# Allegro board 8880F5-0826_3.brd (continued)
## Routing (per net, layer and track width the routed paths; a pad name or vN(x,y) marks a point on that pad's centre or on a via; arc(x,y) is an arc through that point) (continued)
S1_2TX_100DCH007+: length 162.2
  TOP w0.086: SITE1.102 254.23,257.78 254.15,257.86 254.15,261.95 255.98,263.78 255.98,268.13 254.78,269.33 v1(254.78,269.97)
  L30_SIGNAL w0.071: v1(254.78,269.97) 254.5,269.69 254.4,269.69 253.44,270.65 253.44,274.22 263.42,284.2 276.48,284.2 279.52,281.17 279.52,270.97 284.67,265.82 291.19,265.82 297.73,272.36 297.73,282.04 301.11,285.42 301.11,299.79 308.05,306.72 322.6,306.72 326.21,303.11 326.21,290.21 323.45,287.45 323.45,286.14 323.38,286.07 v1(322.98,286.07)
S1_2TX_100DCH007-: length 162.8
  TOP w0.086: v1(253.98,269.17) 254.61,269.17 255.74,268.03 255.74,263.88 253.91,262.05 253.91,257.86 253.83,257.78 SITE1.103
  L30_SIGNAL w0.071: v1(324.12,286.07) 323.72,286.07 323.65,286.14 323.65,287.37 326.41,290.13 326.41,303.19 322.68,306.92 307.96,306.92 300.92,299.87 300.92,285.5 297.53,282.12 297.53,272.45 291.11,266.02 284.75,266.02 279.71,271.05 279.71,281.25 276.56,284.4 263.34,284.4 253.24,274.3 253.24,270.57 254.26,269.55 254.26,269.45 v1(253.98,269.17)
S1_3TX_100DCH002+: length 46.7
  TOP w0.086: v1(249.8,268.11) 249.35,267.66 249.35,257.86 249.43,257.78 SITE1.114
  L30_SIGNAL w0.071: v1(269.64,286.07) 270.04,286.07 270.11,286.14 270.11,287.3 269.5,287.92 264.89,287.92 258.99,282.02 257.81,282.02 249.33,273.53 249.33,268.18 249.4,268.11 v1(249.8,268.11)
S1_3TX_100DCH002-: length 47.4
  TOP w0.086: SITE1.115 249.03,257.78 249.11,257.86 249.11,267.66 v1(248.66,268.11)
  L30_SIGNAL w0.071: v1(270.78,286.07) 270.38,286.07 270.31,286.14 270.31,287.38 269.58,288.11 264.81,288.11 258.91,282.21 257.73,282.21 249.13,273.61 249.13,268.18 249.06,268.11 v1(248.66,268.11)
S1_3TX_100DCH003+: length 92.1
  TOP w0.086: SITE1.116 248.63,257.78 248.55,257.86 248.55,266.82 246.96,268.41 246.96,269.45 v1(247.41,269.9)
  L30_SIGNAL w0.071: v1(247.41,269.9) 247.01,269.9 246.94,269.97 246.94,274.91 255.16,283.14 258.64,283.14 261.78,286.28 261.78,290 264.15,292.37 277.33,292.37 280.61,289.09 280.61,271.57 284.86,267.32 286.24,267.32 286.91,267.99 286.91,269.23 286.98,269.3 v1(287.38,269.3)
S1_3TX_100DCH003-: length 92.1
  TOP w0.086: SITE1.117 248.23,257.78 248.31,257.86 248.31,266.72 246.72,268.31 246.72,269.45 v1(246.26,269.9)
  L30_SIGNAL w0.071: v1(246.26,269.9) 246.67,269.9 246.74,269.97 246.74,275 255.08,283.34 258.56,283.34 261.58,286.36 261.58,290.08 264.06,292.57 277.41,292.57 280.81,289.17 280.81,271.65 284.94,267.52 286.15,267.52 286.71,268.08 286.71,269.23 286.64,269.3 v1(286.24,269.3)
S1_3TX_100DCH004+: length 85.1
  TOP w0.086: v1(245.36,267.81) 244.91,267.36 244.91,266.21 246.95,264.17 246.95,257.86 247.03,257.78 SITE1.120
  L30_SIGNAL w0.071: v1(287.38,282.89) 286.98,282.89 286.91,282.82 286.91,281.32 286.14,280.55 283.69,280.55 281.6,282.64 281.6,289.55 276.84,294.32 263.52,294.32 260.91,291.71 260.91,286.89 258.11,284.09 254.38,284.09 244.89,274.6 244.89,267.89 244.96,267.81 v1(245.36,267.81)
S1_3TX_100DCH004-: length 85.1
  TOP w0.086: SITE1.121 246.63,257.78 246.71,257.86 246.71,264.07 244.67,266.11 244.67,267.36 v1(244.22,267.81)
  L30_SIGNAL w0.071: v1(244.22,267.81) 244.62,267.81 244.69,267.89 244.69,274.68 254.3,284.29 258.03,284.29 260.71,286.97 260.71,291.79 263.44,294.52 276.92,294.52 281.8,289.64 281.8,282.72 283.78,280.75 286.06,280.75 286.71,281.4 286.71,282.82 286.64,282.89 v1(286.24,282.89)
S1_3TX_100DCH005+: length 34
  TOP w0.086: v1(245.11,263.69) 244.65,263.24 244.65,262.03 246.15,260.53 246.15,257.86 246.23,257.78 SITE1.122
  L32_SIGNAL w0.071: v1(238.87,285.81) 238.47,285.81 238.4,285.74 238.4,283.7 243.24,278.85 243.24,267.57 244.63,266.18 244.63,263.76 244.7,263.69 v1(245.11,263.69)
S1_3TX_100DCH005-: length 34
  TOP w0.086: v1(243.96,263.69) 244.42,263.24 244.42,261.93 245.91,260.44 245.91,257.86 245.83,257.78 SITE1.123
  L32_SIGNAL w0.071: v1(243.96,263.69) 244.36,263.69 244.44,263.76 244.44,266.09 243.05,267.48 243.05,278.76 238.2,283.61 238.2,285.74 238.13,285.81 v1(237.72,285.81)
S1_3TX_100DCH006+: length 48.4
  TOP w0.086: v1(242.12,267.81) 241.66,267.36 241.66,266.13 242.87,264.93 242.87,262.13 245.35,259.65 245.35,257.86 245.43,257.78 SITE1.124
  L30_SIGNAL w0.071: v1(238.87,299.4) 238.47,299.4 238.4,299.33 238.4,297.81 240.14,296.07 240.14,288.6 243,285.74 243,277.16 241.64,275.8 241.64,267.89 241.71,267.81 v1(242.12,267.81)
S1_3TX_100DCH006-: length 48.4
  TOP w0.086: SITE1.125 245.03,257.78 245.11,257.86 245.11,259.55 242.63,262.03 242.63,264.83 241.43,266.04 241.43,267.36 v1(240.97,267.81)
  L30_SIGNAL w0.071: v1(237.72,299.4) 238.13,299.4 238.2,299.33 238.2,297.73 239.94,295.99 239.94,288.52 242.81,285.66 242.81,277.25 241.45,275.89 241.45,267.89 241.37,267.81 v1(240.97,267.81)
S1_3TX_100DCH007+: length 66.9
  TOP w0.086: SITE1.126 244.63,257.78 244.55,257.86 244.55,258.72 241.08,262.2 241.08,263.24 v1(241.53,263.69)
  L32_SIGNAL w0.071: v1(241.53,263.69) 241.13,263.69 241.06,263.76 241.06,266.13 239.95,267.23 239.95,279.37 236.6,282.72 236.6,291.75 247.39,302.53 255.73,302.53 256.9,301.36 256.9,299.73 256.83,299.66 v1(256.43,299.66)
S1_3TX_100DCH007-: length 67.6
  TOP w0.086: v1(240.39,263.69) 240.84,263.24 240.84,262.1 244.31,258.63 244.31,257.86 244.23,257.78 SITE1.127
  L32_SIGNAL w0.071: v1(257.58,299.66) 257.17,299.66 257.1,299.73 257.1,301.44 255.81,302.73 247.31,302.73 236.41,291.83 236.41,282.64 239.76,279.29 239.76,267.15 240.86,266.04 240.86,263.76 240.79,263.69 v1(240.39,263.69)
S1_4TX_100DCH001+: length 85.3
  TOP w0.086: v1(238.79,267.81) 238.34,267.36 238.34,266.89 239.3,265.93 239.3,262.62 243.35,258.57 243.35,257.86 243.43,257.78 SITE1.129
  L30_SIGNAL w0.071: v1(256.43,286.07) 256.83,286.07 256.9,286.14 256.9,287.43 255.24,289.1 255.24,297.5 249.63,303.12 236.55,303.12 234.97,301.54 234.97,276.72 238.32,273.37 238.32,267.89 238.39,267.81 v1(238.79,267.81)
S1_4TX_100DCH001-: length 86
  TOP w0.086: SITE1.130 243.03,257.78 243.11,257.86 243.11,258.47 239.06,262.52 239.06,265.83 238.1,266.79 238.1,267.36 v1(237.64,267.81)
  L30_SIGNAL w0.071: v1(237.64,267.81) 238.05,267.81 238.12,267.89 238.12,273.29 234.77,276.64 234.77,301.63 236.46,303.32 249.71,303.32 255.44,297.59 255.44,289.18 257.1,287.52 257.1,286.14 257.17,286.07 v1(257.58,286.07)
S1_4TX_100DCH002+: length 104.9
  TOP w0.086: v1(237.56,265.42) 237.11,264.97 237.11,263.7 242.55,258.26 242.55,257.86 242.63,257.78 SITE1.131
  L32_SIGNAL w0.071: v1(237.56,265.42) 237.16,265.42 237.09,265.49 237.09,266.77 234.65,269.21 234.65,300.97 239.65,305.96 280.91,305.96 283.57,303.3 283.57,299.73 283.5,299.66 v1(283.1,299.66)
S1_4TX_100DCH002-: length 105.6
  TOP w0.086: v1(236.42,265.42) 236.87,264.97 236.87,263.6 242.31,258.16 242.31,257.86 242.23,257.78 SITE1.132
  L32_SIGNAL w0.071: v1(236.42,265.42) 236.82,265.42 236.89,265.49 236.89,266.69 234.46,269.13 234.46,301.05 239.57,306.16 280.99,306.16 283.77,303.38 283.77,299.73 283.84,299.66 v1(284.25,299.66)
S1_4TX_100DCH003+: length 100.1
  TOP w0.086: SITE1.133 237.68,253.23 237.6,253.15 237.23,253.15 231.06,259.32 226.27,259.32 v1(225.81,259.77)
  L28_SIGNAL w0.071: v1(283.1,286.07) 283.5,286.07 283.57,286.14 283.57,287.54 283.09,288.03 278.02,288.03 273.17,283.18 264.92,283.18 256.68,274.93 225.65,274.93 223.63,272.91 223.63,260.51 224.84,259.3 225.74,259.3 225.81,259.37 v1(225.81,259.77)
S1_4TX_100DCH003-: length 101.1
  TOP w0.086: SITE1.134 237.68,252.83 237.6,252.91 237.13,252.91 230.96,259.08 226.27,259.08 v1(225.81,258.63)
  L28_SIGNAL w0.071: v1(284.25,286.07) 283.84,286.07 283.77,286.14 283.77,287.62 283.17,288.23 277.93,288.23 273.08,283.38 264.84,283.38 256.59,275.13 225.57,275.13 223.43,272.99 223.43,260.43 224.76,259.1 225.74,259.1 225.81,259.03 v1(225.81,258.63)
S1_4TX_100DCH004+: length 67.5
  TOP w0.086: v1(228.57,257.65) 229.02,257.2 231.68,257.2 236.53,252.35 237.6,252.35 237.68,252.43 SITE1.135
  L32_SIGNAL w0.071: v1(228.57,257.65) 228.57,257.25 228.49,257.18 219.01,257.18 215.12,261.07 181.95,261.07 179.99,259.11 179.99,258.17 179.52,257.7 178.57,257.7 178.5,257.77 v1(178.5,258.17)
S1_4TX_100DCH004-: length 67.5
  TOP w0.086: v1(228.57,256.51) 229.02,256.96 231.58,256.96 236.43,252.11 237.6,252.11 237.68,252.03 SITE1.136
  L32_SIGNAL w0.071: v1(178.5,257.03) 178.5,257.43 178.57,257.5 179.61,257.5 180.19,258.09 180.19,259.03 182.04,260.87 215.04,260.87 218.93,256.98 228.49,256.98 228.57,256.91 v1(228.57,256.51)
S1_4TX_100DCH005+: length 81.5
  TOP w0.086: v1(225.81,255.53) 226.27,255.08 232.64,255.08 236.17,251.55 237.6,251.55 237.68,251.63 SITE1.137
  L32_SIGNAL w0.071: v1(164.91,258.17) 164.91,257.77 164.98,257.7 166.32,257.7 168.21,255.81 188.4,255.81 192.51,259.92 202.98,259.92 207.85,255.06 225.74,255.06 225.81,255.13 v1(225.81,255.53)
S1_4TX_100DCH005-: length 81.5
  TOP w0.086: v1(225.81,254.39) 226.27,254.84 232.55,254.84 236.07,251.31 237.6,251.31 237.68,251.23 SITE1.138
  L32_SIGNAL w0.071: v1(164.91,257.03) 164.91,257.43 164.98,257.5 166.24,257.5 168.13,255.61 188.49,255.61 192.6,259.72 202.9,259.72 207.76,254.86 225.74,254.86 225.81,254.79 v1(225.81,254.39)
S1_4TX_100DCH006+: length 48.9
  TOP w0.086: SITE1.140 237.68,250.43 237.6,250.35 233.96,250.35 232.03,252.28 229.02,252.28 v1(228.57,252.73)
  L32_SIGNAL w0.071: v1(195.26,258.17) 195.26,257.77 195.33,257.7 196.33,257.7 196.8,257.23 196.8,256.1 199.11,253.78 212.47,253.78 213.99,252.26 228.49,252.26 228.57,252.33 v1(228.57,252.73)
S1_4TX_100DCH006-: length 48.9
  TOP w0.086: SITE1.141 237.68,250.03 237.6,250.11 233.86,250.11 231.93,252.04 229.02,252.04 v1(228.57,251.59)
  L32_SIGNAL w0.071: v1(195.26,257.03) 195.26,257.43 195.33,257.5 196.24,257.5 196.6,257.14 196.6,256.01 199.03,253.58 212.38,253.58 213.9,252.06 228.49,252.06 228.57,251.99 v1(228.57,251.59)
S1_4TX_100DCH007+: length 64.7
  TOP w0.086: v1(225.81,250.64) 226.27,250.19 232.4,250.19 233.04,249.55 237.6,249.55 237.68,249.63 SITE1.142
  L28_SIGNAL w0.071: v1(181.67,258.17) 181.67,257.77 181.75,257.7 182.87,257.7 185.13,259.96 205.23,259.96 210,255.19 221.03,255.19 224.28,251.94 224.28,250.8 224.92,250.16 225.74,250.16 225.81,250.24 v1(225.81,250.64)
S1_4TX_100DCH007-: length 64.7
  TOP w0.086: v1(225.81,249.49) 226.27,249.95 232.3,249.95 232.94,249.31 237.6,249.31 237.68,249.23 SITE1.143
  L28_SIGNAL w0.071: v1(225.81,249.49) 225.81,249.9 225.74,249.97 224.83,249.97 224.08,250.72 224.08,251.86 220.95,254.99 209.92,254.99 205.15,259.76 185.21,259.76 182.95,257.5 181.75,257.5 181.67,257.43 v1(181.67,257.03)
S1_AUX_100DCH002+:
  vias: v1(183.65,132.33)
S1_AUX_100DCH002-:
  vias: v1(181.11,132.33)
S1_AUXCH+: length 3.6
  TOP w0.203: v2(250.6,236.57) 250.23,236.2 SITE1.21
S1_AUXCH-: length 3.6
  TOP w0.203: SITE1.20 249.83,236.2 v2(249.46,236.57)
S1_AVDD11_RX: length 8.4
  TOP w0.231: 254.67,227.85 254.23,228.29 SITE1.31
  TOP w0.508: v1(256.77,225.75) 254.67,227.85
  vias: v1(158.96,294) v1(158.96,292.1) v1(256.77,223.71)
S1_AVDD11_XTAL: length 8.8
  TOP w0.231: SITE1.105 253.03,260.95 252.87,261.11 252.87,261.45
  TOP w0.381: v1(253.72,264.54) 253.72,264.44 252.87,263.59 252.87,261.45
  vias: v1(201.21,277.5) v1(201.21,275.59) v1(253.72,266.58)
S1_AVDD18_RX: length 7.7
  TOP w0.231: 251.28,230.01 251.83,230.56 SITE1.25
  TOP w0.508: 251.28,230.01 251.28,228.9 251.06,228.68 v1(251.06,225.75)
  vias: v1(168.7,294) v1(168.7,292.1) v1(251.06,223.71)
S1_DCH041: length 2.2
  TOP w0.231: SITE1.159 237.43,242.83 v1(237.23,243.03)
S1_DCH042: length 3.7
  TOP w0.231: v1(235.83,243.03) 236.43,242.43 SITE1.160
S1_DCH043: length 5.3
  TOP w0.231: v1(234.44,243.03) 235.44,242.03 SITE1.161
S1_DCH044: length 2.2
  TOP w0.231: SITE1.163 237.43,241.23 v1(237.23,241.03)
S1_DCH045: length 5.4
  TOP w0.231: SITE1.164 243.35,240.83 v1(244.35,239.83)
S1_DCH046: length 3.9
  TOP w0.231: v1(242.95,239.83) 242.35,240.43 SITE1.165
S1_DCH047: length 2.3
  TOP w0.231: SITE1.166 241.36,240.03 v1(241.56,239.83)
S1_DCH048:
  vias: v1(229.05,276.97)
S1_DCH049:
  vias: v1(229.05,271.67)
S1_DPS_F_001:
  vias: v1(101.29,249.52) v1(101.29,247.61) v1(182.11,131.06) v1(221.73,227.84)
S1_DPS_F_002: length 10.1
  TOP w0.231: 240.65,229.55 241.72,229.55 243.03,230.86 SITE1.3
  TOP w0.508: v1(237.98,225.75) 237.98,226.88 240.65,229.55
  vias: v1(185.21,294) v1(185.21,292.1) v1(236.32,222.9) v1(237.98,223.71)
S1_DPS_F_003: length 63.1
  TOP w0.231: 259.73,229.66 258.57,229.66 256.63,231.59 SITE1.37 ; 249.28,228.85 248.63,229.5 SITE1.17 ; SITE1.107 252.23,260.11 251.69,260.65 251.69,261.16 ; 234.63,241.63 SITE1.162 ; 267.84,245.53 266.94,246.43 SITE1.71 ; 232.83,248.18 233.08,248.43 SITE1.145 ; 265.2,242.93 264.9,243.23 SITE1.63
  TOP w0.381: 251.69,261.16 251.69,264.28 v1(251.94,264.54)
  TOP w0.508: v1(231.44,247.93) 232.58,247.93 232.83,248.18 ; 259.73,229.66 262.36,227.02 v1(262.36,225.75) ; v1(271.22,241.37) 268.11,241.37 266.8,242.67 265.45,242.67 265.2,242.93 ; v1(249.28,225.75) 249.28,228.85 ; v1(231.44,243.41) 232.59,243.41 234.37,241.63 234.63,241.63 ; 267.84,245.53 269.46,243.91 v1(271.22,243.91)
  vias: v1(114.29,230.12) v1(175.47,294) v1(175.47,292.1) v1(229.4,247.93) v1(229.4,243.41) v1(249.28,223.71) v1(251.54,252.61) v1(251.94,266.58) v1(262.36,223.71) v1(273.27,243.91) v1(273.27,243.91) v1(273.27,241.37) v1(273.27,241.37)
S1_DPS_F_006: length 9.6
  TOP w0.231: 268.55,246.19 267.92,246.83 SITE1.72
  TOP w0.508: v1(271.22,245.18) 269.56,245.18 268.55,246.19
  vias: v1(168.7,277.5) v1(168.7,275.59) v1(259,246.67) v1(273.27,245.18) v1(273.27,245.18)
S1_DPS_F_007: length 19.1
  TOP w0.231: SITE1.97 256.23,260.71 259.65,264.13 v1(259.65,264.54) ; SITE1.78 264.15,249.23 264.37,249.01
  TOP w0.508: v1(271.22,249.5) 270.8,249.5 270.31,249.01 264.37,249.01
  BOTTOM w0.119: CC27.1 v1(273.27,249.5)
  vias: v1(185.21,277.5) v1(185.21,275.59) v1(259.65,266.58)
S1_DPS_F_009: length 8.8
  TOP w0.231: 252.26,261.12 252.26,260.9 252.63,260.53 SITE1.106
  TOP w0.381: 252.26,261.12 252.26,263.82 252.83,264.39 v1(252.83,264.54)
  vias: v1(201.21,294) v1(201.21,292.1) v1(252.83,266.58) v1(253.61,267.66)
S1_DPS_F_010: length 8.6
  TOP w0.231: SITE1.111 250.63,260.15 251.05,260.57 251.05,261.13
  TOP w0.381: 251.05,261.13 v1(251.05,264.54)
  vias: v1(191.48,294) v1(191.48,292.1) v1(250.34,253.59) v1(251.05,266.58)
S1_DPS_F_011: length 17.6
  TOP w0.231: 247.64,258.01 247.43,257.79 SITE1.119 ; SITE1.139 234.87,250.83 232.01,253.69 v1(231.44,253.69)
  TOP w0.508: v1(247.57,264.54) 247.64,264.47 247.64,258.01
  vias: v1(175.47,277.5) v1(175.47,275.59) v1(229.4,253.69) v1(247.57,266.58)
S1_DPS_F_012: length 8
  TOP w0.231: 232.2,248.83 SITE1.144
  TOP w0.508: v1(231.44,249.2) 231.81,248.83 232.2,248.83
  vias: v1(158.96,277.5) v1(158.96,275.59) v1(229.4,249.2)
S1_DPS_F_013:
  vias: v1(89.53,207.41) v1(89.77,221.18) v1(96.02,215.5) v1(96.12,229.1) v1(96.42,249.57) v1(96.42,247.66) v1(97.27,241.05) v1(97.27,233.43) v1(98.56,215.5) v1(98.66,229.1) v1(101.1,215.5) v1(101.1,203.31) v1(101.2,229.1) v1(101.2,216.91) v1(103.64,203.31) v1(104.64,215.5) v1(104.74,229.1) v1(104.75,216.86) v1(122.12,241.1) v1(126.75,233.43) v1(126.75,225.81)
S1_ISP00+: length 57.3
  TOP w0.086: SITE1.73 263.98,247.23 264.06,247.31 269.31,247.31 270.29,246.33 274.62,246.33 v1(275.08,245.88)
  L30_SIGNAL w0.071: v1(275.08,245.88) 275.08,246.28 275.15,246.35 279.34,246.35 280.21,247.22 280.21,263.36 272.31,271.27 272.31,275.49 271.6,276.2 270.12,276.2 270.04,276.27 v1(270.04,277.62)
  BOTTOM w0.119: v1(270.04,277.62) K43.7
S1_ISP00-: length 56.6
  TOP w0.086: v1(275.08,247.02) 274.62,246.57 270.39,246.57 269.41,247.55 264.06,247.55 263.98,247.63 SITE1.74
  L30_SIGNAL w0.071: v1(275.08,247.02) 275.08,246.62 275.15,246.55 279.26,246.55 280.01,247.3 280.01,263.28 272.11,271.18 272.11,275.41 271.52,276 270.12,276 270.04,275.93 v1(270.04,274.58)
  BOTTOM w0.119: v1(270.04,274.58) K43.2
S1_ISP14+: length 214.1
  TOP w0.086: SITE1.112 250.23,257.78 250.15,257.86 250.15,266.59 251.48,267.92 251.48,269.45 v1(251.93,269.9)
  L32_SIGNAL w0.071: v1(251.93,269.9) 251.53,269.9 251.46,269.83 251.46,268.24 249.19,265.97 249.19,264.19 244.07,259.07 227.96,259.07 224.69,262.33 224.69,268.06 226.85,270.22 232.37,270.22 233.24,271.09 233.24,303.84 239.49,310.08 279.87,310.08 286.56,303.39 286.56,296.18 282.87,292.49 264.83,292.49 259.78,287.44 259.78,278.02 261.61,276.2 265.57,276.2 265.64,276.27 v1(265.64,280.1)
S1_ISP14-: length 213.1
  TOP w0.086: v1(250.79,269.9) 251.24,269.45 251.24,268.02 249.91,266.69 249.91,257.86 249.83,257.78 SITE1.113
  L32_SIGNAL w0.071: v1(250.79,269.9) 251.19,269.9 251.26,269.83 251.26,268.32 248.99,266.05 248.99,264.27 243.99,259.27 228.04,259.27 224.89,262.41 224.89,267.98 226.93,270.02 232.45,270.02 233.44,271.01 233.44,303.76 239.57,309.89 279.79,309.89 286.36,303.31 286.36,296.26 282.79,292.69 264.75,292.69 259.58,287.52 259.58,277.94 261.53,276 265.57,276 265.64,275.93 v1(265.64,272.1)
S1_ISP_1LOCK:
  vias: v1(229.91,245.39)
S1_M_DPS_F_001: length 45.2
  TOP w0.231: SITE1.39 257.43,231.49 258.54,230.37 260.57,230.37 ; 233.24,247.18 233.7,247.63 SITE1.147 ; 250.63,230.54 SITE1.22 ; SITE1.104 253.43,263.21 ; 266.49,243.63 SITE1.64
  TOP w0.381: v1(254.61,264.54) 254.61,264.39 253.43,263.21
  TOP w0.508: v1(250.17,225.75) 250.17,228.96 250.38,229.17 250.38,230.28 250.63,230.54 ; v1(263.63,225.75) 263.63,227.31 260.57,230.37 ; 233.24,247.18 232.72,246.66 v1(231.44,246.66) ; 266.49,243.63 267.49,243.63 268.48,242.64 v1(271.22,242.64)
  vias: v1(118.32,292.74) v1(118.32,290.83) v1(229.4,246.66) v1(250.17,223.71) v1(254.61,266.58) v1(263.63,223.71) v1(273.27,242.64) v1(273.27,242.64)
S1_PS9G_DCH001: length 3.7
  TOP w0.231: SITE1.18 249.03,230.23 v1(249.63,229.63)
S1_PS9G_DCH002: length 2.2
  TOP w0.231: SITE1.19 249.43,231.23 v1(249.63,231.03)
S1_PS9G_DCH003: length 2.2
  TOP w0.231: v1(251.23,231.03) 251.43,231.23 SITE1.24
S1_PS9G_DCH004: length 2.2
  TOP w0.231: SITE1.40 257.83,235.03 v1(257.63,235.23)
S1_PS9G_DCH005: length 2.2
  TOP w0.231: SITE1.45 264.23,236.03 v1(264.43,235.83)
S1_PS9G_DCH006: length 3.7
  TOP w0.231: v1(265.83,235.83) 265.23,236.43 SITE1.46
S1_PS9G_DCH007: length 5.3
  TOP w0.231: v1(267.23,235.83) 266.22,236.83 SITE1.47
S1_PS9G_DCH009: length 2.2
  TOP w0.231: v1(264.43,237.43) 264.23,237.63 SITE1.49
S1_PS9G_DCH010: length 3.7
  TOP w0.231: v1(265.83,237.43) 265.23,238.03 SITE1.50
S1_PS9G_DCH011: length 5.3
  TOP w0.231: v1(267.23,237.43) 266.22,238.43 SITE1.51
S1_PS9G_DCH014: length 3.7
  TOP w0.231: SITE1.54 265.23,239.63 v1(265.83,239.03)
S1_PS9G_DCH015: length 5.3
  TOP w0.231: SITE1.55 266.22,240.03 v1(267.23,239.03)
S1_PS9G_DCH022: length 5.3
  TOP w0.231: SITE1.65 266.05,244.03 267.05,245.03 v1(267.23,245.03)
S1_PS9G_DCH023: length 2.5
  TOP w0.231: v1(264.43,245.03) 264.43,244.83 264.03,244.43 SITE1.66
S1_PS9G_DCH027: length 3.9
  TOP w0.231: v1(265.83,245.03) 264.83,246.03 SITE1.70
S1_PS9G_DCH028: length 2.3
  TOP w0.231: SITE1.77 260.6,248.83 v1(260.23,248.46)
S1_PS9G_DCH029: length 2.2
  TOP w0.119: SITE1.118 v1(247.83,253.92)
S1_PS9G_DCH030: length 9.2
  TOP w0.231: v1(230.91,245.39) 232.63,245.39 234.16,246.91 237.3,246.91 237.62,247.23 SITE1.148
S1_PS9G_DCH035: length 5.3
  TOP w0.231: v1(234.44,246.23) 235.44,245.23 SITE1.153
S1_PS9G_DCH036: length 2.2
  TOP w0.231: SITE1.154 241.23,244.83 v1(241.43,245.03)
S1_PS9G_DCH037: length 2.2
  TOP w0.231: v1(237.23,244.63) 237.43,244.43 SITE1.155
S1_PS9G_DCH038: length 3.7
  TOP w0.231: v1(235.83,244.63) 236.43,244.03 SITE1.156
S1_PS9G_DCH039: length 5.3
  TOP w0.231: SITE1.157 235.44,243.63 v1(234.44,244.63)
S1_PS9G_DCH040: length 2.2
  TOP w0.231: SITE1.158 241.23,243.23 v1(241.43,243.43)
S1_RLY_001:
  vias: v1(167.7,222.95) v1(201.23,236.67)
S1_RLY_003:
  vias: v1(290.64,288.86) v1(303.84,288.86)
S1_RLY_005:
  vias: v1(330.51,288.86) v1(343.98,288.86)
S1_RLY_007:
  vias: v1(317.05,288.86)
S1_RLY_008:
  vias: v1(263.71,288.86) v1(293.31,280.1)
S1_RLY_016:
  vias: v1(244.8,296.61) v1(250.5,288.86)
S1_RLY_018:
  vias: v1(232.25,276.97)
S1_RLY_021:
  vias: v1(167.7,264.1) v1(277.17,288.86)
S1_RLY_022:
  vias: v1(167.7,236.67) v1(201.23,250.38)
S1_RLY_023:
  vias: v1(184.47,236.67)
S1_RLY_025:
  vias: v1(167.7,250.38) v1(200.98,264.1)
S1_RLY_026:
  vias: v1(184.47,250.38)
S1_RLY_030:
  vias: v1(184.47,264.1)
S1_RLY_043:
  vias: v1(273.24,280.1)
S1_SCAN_DCH008: length 2.2
  TOP w0.231: SITE1.48 260.43,237.23 v1(260.23,237.03)
S1_SCAN_DCH012: length 2.2
  TOP w0.231: SITE1.52 260.43,238.83 v1(260.23,238.63)
S1_SCAN_DCH013: length 2.2
  TOP w0.231: v1(264.43,239.03) 264.23,239.23 SITE1.53
S1_SCAN_DCH016: length 2.2
  TOP w0.231: SITE1.56 260.43,240.43 v1(260.23,240.23)
S1_SCAN_DCH017: length 2.2
  TOP w0.231: v1(264.43,240.63) 264.23,240.83 SITE1.57
S1_SCAN_DCH018: length 3.7
  TOP w0.231: SITE1.58 265.23,241.23 v1(265.83,240.63)
S1_SCAN_DCH019: length 5.3
  TOP w0.231: v1(267.23,240.63) 266.22,241.63 SITE1.59
S1_SCAN_DCH020: length 2.2
  TOP w0.231: v1(260.23,241.83) 260.43,242.03 SITE1.60
S1_SCAN_DCH021: length 2.2
  TOP w0.231: SITE1.61 264.23,242.43 v1(264.43,242.23)
S1_SCAN_DCH024: length 2.2
  TOP w0.231: SITE1.67 260.43,244.83 v1(260.23,244.63)
S1_SCAN_DCH025: length 3.7
  TOP w0.231: v1(258.83,244.63) 259.43,245.23 SITE1.68
S1_SCAN_DCH026: length 5.3
  TOP w0.231: v1(257.44,244.63) 258.44,245.63 SITE1.69
S1_SCAN_DCH031: length 3.7
  TOP w0.231: v1(242.83,247.43) 242.23,246.83 SITE1.149
S1_SCAN_DCH032: length 5.3
  TOP w0.231: v1(244.22,247.43) 243.22,246.43 SITE1.150
S1_SCAN_DCH033: length 2.2
  TOP w0.231: SITE1.151 237.43,246.03 v1(237.23,246.23)
S1_SCAN_DCH034: length 3.7
  TOP w0.231: v1(235.83,246.23) 236.43,245.63 SITE1.152
S1_SPI_1_CSN:
  vias: v1(104.64,203.31)
S1_SPI_1_SCK:
  vias: v1(99.56,215.5)
S1_SPI_1_SDI:
  vias: v1(123.44,216.92)
S1_SPI_1_SDO:
  vias: v1(123.69,224.54)
S1_SPI_2_CSN:
  vias: v1(103.75,216.86)
S1_SPI_2_SCK:
  vias: v1(99.66,229.1)
S1_SPI_2_SDI:
  vias: v1(128.01,216.92)
S1_SPI_2_SDO:
  vias: v1(127.75,224.54)
S1_SPI_11_SDI:
  vias: v1(102.1,203.31) v1(122.44,216.92)
S1_SPI_11_SDO:
  vias: v1(97.02,215.5) v1(122.69,224.54)
S1_SPI_22_SDI:
  vias: v1(102.2,216.91) v1(127.01,216.92)
S1_SPI_22_SDO:
  vias: v1(97.12,229.1) v1(126.75,224.54)
S1_SPI_CSN: length 2.2
  TOP w0.231: v1(259.23,231.03) 259.03,231.23 SITE1.43
S1_SPI_SCK: length 2.2
  TOP w0.231: SITE1.42 258.63,235.03 v1(258.83,235.23)
S1_SPI_SDI: length 3.7
  TOP w0.231: v1(258.83,236.63) 259.43,236.03 SITE1.44
S1_SPI_SDO: length 3.7
  TOP w0.231: SITE1.41 258.23,236.03 v1(257.63,236.63)
S1_XTAL_IN: length 2.5
  TOP w0.119: SITE1.109 251.43,258.31 v1(251.63,258.51)
  vias: v1(226.85,271.67)
S1_XTAL_OUT: length 3.7
  TOP w0.231: SITE1.110 251.03,259.03 v1(251.63,259.63)
  vias: v1(226.85,276.97)
S2_1AUX+:
  vias: v1(301.73,229.11)
S2_1AUX-:
  vias: v1(298.45,229.11)
S2_1TX_100DCH001+: length 121
  L32_SIGNAL w0.071: v1(388.49,259.59) 388.49,260.94 388.42,261.01 384.8,261.01 384.23,260.44 384.23,256.8 385.08,255.95 392.26,255.95 394.89,258.58 405.53,258.58 408.37,255.74 426.47,255.74 431.64,260.91 431.64,297.44 427.29,301.79 423.67,301.79 419.59,297.7 417.91,297.7 416.92,298.69 416.92,299.84 416.85,299.91 v1(416.45,299.91)
  BOTTOM w0.119: v1(388.49,259.59) UNK2K43.6
S2_1TX_100DCH001-: length 122
  L32_SIGNAL w0.071: v1(388.49,262.63) 388.49,261.28 388.42,261.21 384.72,261.21 384.03,260.52 384.03,256.72 384.99,255.75 392.34,255.75 394.97,258.38 405.45,258.38 408.29,255.54 426.55,255.54 431.84,260.83 431.84,297.52 427.37,301.99 423.59,301.99 419.5,297.9 418,297.9 417.12,298.77 417.12,299.84 417.19,299.91 v1(417.6,299.91)
  BOTTOM w0.119: v1(388.49,262.63) UNK2K43.3
S2_1TX_100DCH002+: length 111.5
  TOP w0.086: v1(357.52,247.66) 357.07,248.11 344.06,248.11 343.98,248.03 SITE2.75
  L28_SIGNAL w0.071: v1(357.52,247.66) 357.52,248.06 357.59,248.13 362.11,248.13 370.83,256.85 370.83,257.83 381.5,268.49 398.85,268.49 400.59,266.76 418.42,266.76 419.62,267.95 419.62,286.79 418.8,287.61 417.44,287.61 416.92,287.09 416.92,286.39 416.85,286.32 v1(416.45,286.32)
S2_1TX_100DCH002-: length 110.5
  TOP w0.086: v1(357.52,248.8) 357.07,248.35 344.06,248.35 343.98,248.43 SITE2.76
  L28_SIGNAL w0.071: v1(357.52,248.8) 357.52,248.4 357.59,248.33 362.03,248.33 370.63,256.94 370.63,257.91 381.42,268.69 398.94,268.69 400.68,266.95 418.34,266.95 419.42,268.03 419.42,286.71 418.72,287.42 417.53,287.42 417.12,287.01 417.12,286.39 417.19,286.32 v1(417.6,286.32)
S2_1TX_100DCH003+: length 176.3
  TOP w0.086: v1(355.08,250.14) 354.62,250.59 349.94,250.59 349.05,249.71 344.06,249.71 343.98,249.63 SITE2.79
  L32_SIGNAL w0.071: v1(355.08,250.14) 355.08,250.54 355,250.61 354.49,250.61 354.35,250.47 354.35,249.75 354.92,249.18 356.13,249.18 357.68,250.73 363.45,250.73 368.22,255.5 378.23,255.5 380.62,253.1 380.62,249.01 381.53,248.11 405.46,248.11 406.61,249.26 406.61,254.31 405.01,255.91 398.97,255.91 397.96,254.89 382.06,254.89 379.1,257.86 379.1,264.76 382.08,267.74 397.98,267.74 401.46,264.26 412.52,264.26 414.57,266.31 414.57,280.19 416.92,282.55 416.92,284.09 416.85,284.16 v1(416.45,284.16)
S2_1TX_100DCH003-: length 177.3
  TOP w0.086: v1(355.08,251.28) 354.62,250.83 349.84,250.83 348.95,249.95 344.06,249.95 343.98,250.03 SITE2.80
  L32_SIGNAL w0.071: v1(355.08,251.28) 355.08,250.88 355,250.81 354.41,250.81 354.16,250.56 354.16,249.66 354.84,248.98 356.21,248.98 357.76,250.53 363.54,250.53 368.3,255.3 378.14,255.3 380.43,253.02 380.43,248.93 381.45,247.91 405.54,247.91 406.81,249.17 406.81,254.39 405.09,256.1 398.89,256.1 397.88,255.09 382.14,255.09 379.29,257.94 379.29,264.68 382.16,267.54 397.9,267.54 401.38,264.06 412.61,264.06 414.77,266.23 414.77,280.11 417.12,282.46 417.12,284.09 417.19,284.16 v1(417.6,284.16)
S2_1TX_100DCH004+: length 88.3
  TOP w0.086: v1(357.52,252.08) 357.07,252.53 350.02,252.53 347.99,250.51 344.06,250.51 343.98,250.43 SITE2.81
  L28_SIGNAL w0.071: v1(416.45,270.57) 416.85,270.57 416.92,270.65 416.92,272.17 414.38,274.71 403.76,274.71 400.43,271.38 381.37,271.38 372.64,262.66 371.33,262.66 361.22,252.55 357.59,252.55 357.52,252.48 v1(357.52,252.08)
S2_1TX_100DCH004-: length 88.7
  TOP w0.086: v1(357.52,253.22) 357.07,252.77 349.92,252.77 347.89,250.75 344.06,250.75 343.98,250.83 SITE2.82
  L28_SIGNAL w0.071: v1(357.52,253.22) 357.52,252.82 357.59,252.75 361.14,252.75 371.24,262.85 372.56,262.85 381.29,271.58 400.35,271.58 403.68,274.91 414.46,274.91 417.12,272.25 417.12,270.65 417.19,270.57 v1(417.6,270.57)
S2_1TX_100DCH005+: length 74.2
  TOP w0.086: SITE2.83 343.98,251.23 344.06,251.31 346.61,251.31 349.53,254.22 354.62,254.22 v1(355.08,253.77)
  L32_SIGNAL w0.071: v1(355.08,253.77) 355.08,254.17 355,254.24 354.15,254.24 353.89,253.99 353.89,253.17 354.26,252.81 356.05,252.81 356.38,253.14 356.38,254.1 357.08,254.79 361.41,254.79 365.4,258.78 376.65,258.78 385.24,250.2 402.1,250.2 402.95,251.06 402.95,251.83 402.88,251.9 v1(402.48,251.9)
S2_1TX_100DCH005-: length 75.1
  TOP w0.086: v1(355.08,254.92) 354.62,254.46 349.43,254.46 346.51,251.55 344.06,251.55 343.98,251.63 SITE2.84
  L32_SIGNAL w0.071: v1(355.08,254.92) 355.08,254.51 355,254.44 354.07,254.44 353.69,254.07 353.69,253.09 354.17,252.61 356.14,252.61 356.58,253.06 356.58,254.02 357.16,254.6 361.49,254.6 365.48,258.59 376.57,258.59 385.15,250 402.18,250 403.15,250.97 403.15,251.83 403.22,251.9 v1(403.63,251.9)
S2_1TX_100DCH006+: length 115.6
  TOP w0.086: v1(357.52,256.03) 357.07,256.49 350.12,256.49 345.74,252.11 344.06,252.11 343.98,252.03 SITE2.85
  L28_SIGNAL w0.071: v1(402.48,238.32) 402.88,238.32 402.95,238.39 402.95,239.84 405.8,242.68 405.8,259.81 399.15,266.46 382.24,266.46 361.55,245.76 357.81,245.76 356.36,247.21 356.36,254 357.31,254.95 358.86,254.95 359.62,255.7 359.62,256.14 359.25,256.51 357.59,256.51 357.52,256.44 v1(357.52,256.03)
S2_1TX_100DCH006-: length 115.9
  TOP w0.086: SITE2.86 343.98,252.43 344.06,252.35 345.64,252.35 350.02,256.73 357.07,256.73 v1(357.52,257.18)
  L28_SIGNAL w0.071: v1(403.63,238.32) 403.22,238.32 403.15,238.39 403.15,239.75 406,242.6 406,259.89 399.24,266.65 382.16,266.65 361.47,245.96 357.89,245.96 356.56,247.29 356.56,253.91 357.39,254.75 358.94,254.75 359.81,255.62 359.81,256.23 359.34,256.7 357.59,256.7 357.52,256.78 v1(357.52,257.18)
S2_1TX_100DCH007+: length 52.1
  TOP w0.086: SITE2.87 343.98,252.83 344.06,252.91 344.96,252.91 350.67,258.62 354.62,258.62 v1(355.08,258.17)
  L32_SIGNAL w0.071: v1(355.08,258.17) 355.08,258.57 355,258.64 354.56,258.64 354.22,258.98 354.22,259.62 355.02,260.42 356.72,260.42 361.31,265 361.31,267.57 376.03,282.29 376.03,283.84 375.96,283.91 v1(375.56,283.91)
S2_1TX_100DCH007-: length 51.8
  TOP w0.086: SITE2.88 343.98,253.23 344.06,253.15 344.86,253.15 350.57,258.86 354.62,258.86 v1(355.08,259.31)
  L32_SIGNAL w0.071: v1(355.08,259.31) 355.08,258.91 355,258.84 354.64,258.84 354.42,259.06 354.42,259.54 355.1,260.22 356.81,260.22 361.51,264.92 361.51,267.49 376.23,282.21 376.23,283.84 376.3,283.91 v1(376.7,283.91)
S2_2AUX+:
  vias: v1(290.31,132.08) v1(290.31,130.81) v1(300.73,229.11) v1(300.73,227.84)
S2_2AUX-:
  vias: v1(286.77,130.81) v1(287.77,132.08) v1(299.45,229.11) v1(299.45,227.84)
S2_2TX_100DCH001+: length 52.5
  TOP w0.086: v1(346.32,268.6) 345.87,268.15 345.87,265.63 345.31,265.07 345.31,262.18 343.95,260.83 341.74,260.83 339.35,258.44 339.35,257.86 339.43,257.78 SITE2.89
  L30_SIGNAL w0.071: v1(375.56,270.32) 375.96,270.32 376.03,270.39 376.03,271.3 375.75,271.58 375.22,271.58 371.38,267.75 359.16,267.75 356.92,269.99 346.29,269.99 345.85,269.55 345.85,268.68 345.92,268.6 v1(346.32,268.6)
S2_2TX_100DCH001-: length 53.1
  TOP w0.086: SITE2.90 339.03,257.78 339.11,257.86 339.11,258.53 341.64,261.07 343.85,261.07 345.07,262.28 345.07,265.17 345.63,265.73 345.63,268.15 v1(345.18,268.6)
  L30_SIGNAL w0.071: v1(345.18,268.6) 345.58,268.6 345.65,268.68 345.65,269.64 346.2,270.19 357,270.19 359.25,267.95 371.3,267.95 375.14,271.78 375.83,271.78 376.23,271.39 376.23,270.39 376.3,270.32 v1(376.7,270.32)
S2_2TX_100DCH002+: length 122.6
  TOP w0.086: v1(344.67,266.34) 344.22,265.88 344.22,262.77 343.16,261.72 341.27,261.72 338.55,259 338.55,257.86 338.63,257.78 SITE2.91
  L32_SIGNAL w0.071: v1(344.67,266.34) 344.27,266.34 344.2,266.26 344.2,265.71 344.47,265.44 345.15,265.44 345.57,265.86 345.57,266.58 353.51,274.52 353.51,287.07 357.83,291.4 402.7,291.4 405.57,288.52 405.57,267.17 404.58,266.17 403.48,266.17 402.95,266.7 402.95,268.09 402.88,268.16 v1(402.48,268.16)
S2_2TX_100DCH002-: length 122
  TOP w0.086: v1(343.52,266.34) 343.98,265.88 343.98,262.87 343.07,261.96 341.17,261.96 338.31,259.1 338.31,257.86 338.23,257.78 SITE2.92
  L32_SIGNAL w0.071: v1(403.63,268.16) 403.22,268.16 403.15,268.09 403.15,266.78 403.57,266.37 404.49,266.37 405.38,267.25 405.38,288.44 402.62,291.2 357.92,291.2 353.71,286.99 353.71,274.44 345.77,266.49 345.77,265.78 345.23,265.24 344.38,265.24 344,265.62 344,266.26 343.93,266.34 v1(343.52,266.34)
S2_2TX_100DCH003+: length 92.3
  TOP w0.086: SITE2.93 337.83,257.78 337.75,257.86 337.75,259.44 342.61,264.3 342.61,268.15 v1(343.07,268.6)
  L30_SIGNAL w0.071: v1(343.07,268.6) 342.66,268.6 342.59,268.68 342.59,269.99 343.66,271.06 372.09,271.06 374.77,273.74 377.67,273.74 384.23,267.17 399.8,267.17 401.32,265.65 401.32,258.01 402.95,256.37 402.95,254.64 402.88,254.57 v1(402.48,254.57)
S2_2TX_100DCH003-: length 93
  TOP w0.086: v1(341.92,268.6) 342.37,268.15 342.37,264.4 337.51,259.54 337.51,257.86 337.43,257.78 SITE2.94
  L30_SIGNAL w0.071: v1(341.92,268.6) 342.32,268.6 342.39,268.68 342.39,270.08 343.58,271.26 372.01,271.26 374.69,273.94 377.75,273.94 384.32,267.37 399.88,267.37 401.51,265.74 401.51,258.09 403.15,256.46 403.15,254.64 403.22,254.57 v1(403.63,254.57)
S2_2TX_100DCH004+: length 100.5
  TOP w0.086: SITE2.95 337.03,257.78 336.95,257.86 336.95,259.72 340.9,263.67 340.9,266.64 v1(341.36,267.09)
  L32_SIGNAL w0.071: v1(341.36,267.09) 340.96,267.09 340.88,267.02 340.88,264.19 346.21,258.86 352.22,258.86 358.56,265.21 358.56,266.95 372.52,280.9 372.52,284.94 375.45,287.88 394.18,287.88 400.17,281.89 402.56,281.89 402.95,282.28 402.95,283.84 402.88,283.91 v1(402.48,283.91)
S2_2TX_100DCH004-: length 101.2
  TOP w0.086: SITE2.96 336.63,257.78 336.71,257.86 336.71,259.82 340.67,263.77 340.67,266.64 v1(340.21,267.09)
  L32_SIGNAL w0.071: v1(403.63,283.91) 403.22,283.91 403.15,283.84 403.15,282.2 402.64,281.69 400.08,281.69 394.09,287.68 375.53,287.68 372.71,284.86 372.71,280.82 358.76,266.86 358.76,265.13 352.3,258.67 346.13,258.67 340.69,264.11 340.69,267.02 340.62,267.09 v1(340.21,267.09)
S2_2TX_100DCH005+: length 88.5
  TOP w0.086: SITE2.98 335.83,257.78 335.75,257.86 335.75,261.37 338.54,264.15 338.54,268.38 v1(338.99,268.83)
  L30_SIGNAL w0.071: v1(338.99,268.83) 338.59,268.83 338.52,268.9 338.52,270 340.67,272.16 366.04,272.16 368.77,274.89 378.18,274.89 384.33,268.74 396.16,268.74 399.94,272.52 402.28,272.52 402.95,271.84 402.95,270.39 402.88,270.32 v1(402.48,270.32)
S2_2TX_100DCH005-: length 89.1
  TOP w0.086: v1(337.84,268.83) 338.3,268.38 338.3,264.25 335.51,261.47 335.51,257.86 335.43,257.78 SITE2.99
  L30_SIGNAL w0.071: v1(337.84,268.83) 338.25,268.83 338.32,268.9 338.32,270.09 340.59,272.36 365.96,272.36 368.69,275.09 378.26,275.09 384.41,268.94 396.08,268.94 399.85,272.71 402.36,272.71 403.15,271.92 403.15,270.39 403.22,270.32 v1(403.63,270.32)
S2_2TX_100DCH006+: length 151.1
  TOP w0.086: SITE2.100 335.03,257.78 334.95,257.86 334.95,261.59 337.04,263.68 337.04,268.51 336.65,268.9 336.65,269.99 v1(337.1,270.44)
  L30_SIGNAL w0.071: v1(389.02,283.91) 389.42,283.91 389.49,283.84 389.49,282.2 392.44,279.25 397.73,279.25 406.39,270.59 406.39,252.17 404.98,250.76 401.55,250.76 400.45,251.86 400.45,258.16 392.4,266.21 378.86,266.21 374.1,261.46 355.47,261.46 352.64,258.62 340.95,258.62 336.63,262.95 336.63,270.37 336.7,270.44 v1(337.1,270.44)
S2_2TX_100DCH006-: length 151.8
  TOP w0.086: SITE2.101 334.63,257.78 334.71,257.86 334.71,261.69 336.8,263.78 336.8,268.41 336.41,268.8 336.41,269.99 v1(335.96,270.44)
  L30_SIGNAL w0.071: v1(335.96,270.44) 336.36,270.44 336.43,270.37 336.43,262.87 340.87,258.43 352.72,258.43 355.55,261.26 374.18,261.26 378.94,266.01 392.32,266.01 400.25,258.08 400.25,251.78 401.47,250.56 405.06,250.56 406.59,252.09 406.59,270.67 397.81,279.45 392.53,279.45 389.69,282.28 389.69,283.84 389.76,283.91 v1(390.16,283.91)
S2_2TX_100DCH007+: length 79.2
  TOP w0.086: v1(334.78,269.97) 334.78,269.33 335.98,268.13 335.98,263.78 334.15,261.95 334.15,257.86 334.23,257.78 SITE2.102
  L30_SIGNAL w0.071: v1(334.78,269.97) 334.5,269.69 334.4,269.69 333.72,270.37 333.72,271.65 335.29,273.22 365.22,273.22 368.15,276.15 385.17,276.15 389.49,271.82 389.49,270.39 389.42,270.32 v1(389.02,270.32)
S2_2TX_100DCH007-: length 79.9
  TOP w0.086: v1(333.98,269.17) 334.61,269.17 335.74,268.03 335.74,263.88 333.91,262.05 333.91,257.86 333.83,257.78 SITE2.103
  L30_SIGNAL w0.071: v1(390.16,270.32) 389.76,270.32 389.69,270.39 389.69,271.91 385.25,276.35 368.06,276.35 365.14,273.42 335.21,273.42 333.52,271.73 333.52,270.28 334.26,269.55 334.26,269.45 v1(333.98,269.17)
S2_3TX_100DCH002+: length 85.6
  TOP w0.086: v1(329.8,268.11) 329.35,267.66 329.35,257.86 329.43,257.78 SITE2.114
  L30_SIGNAL w0.071: v1(329.8,268.11) 329.4,268.11 329.33,268.18 329.33,272.09 331.49,274.25 364.4,274.25 368.26,278.12 377.35,278.12 387.49,288.26 389.12,288.26 389.49,287.89 389.49,286.39 389.42,286.32 v1(389.02,286.32)
S2_3TX_100DCH002-: length 86.3
  TOP w0.086: v1(328.66,268.11) 329.11,267.66 329.11,257.86 329.03,257.78 SITE2.115
  L30_SIGNAL w0.071: v1(328.66,268.11) 329.06,268.11 329.13,268.18 329.13,272.17 331.41,274.45 364.32,274.45 368.18,278.32 377.26,278.32 387.41,288.46 389.2,288.46 389.69,287.97 389.69,286.39 389.76,286.32 v1(390.16,286.32)
S2_3TX_100DCH003+: length 142.3
  TOP w0.086: SITE2.116 328.63,257.78 328.55,257.86 328.55,266.82 326.96,268.41 326.96,269.45 v1(327.41,269.9)
  L30_SIGNAL w0.071: v1(327.41,269.9) 327.01,269.9 326.94,269.83 326.94,269.34 326.66,269.07 325.93,269.07 325.08,269.92 325.08,274.29 326.49,275.7 363.49,275.7 367.7,279.91 377,279.91 388.17,291.07 405.58,291.07 414.46,282.18 414.46,266.64 414.84,266.26 416.18,266.26 416.67,266.76 416.67,268.09 416.6,268.16 v1(416.2,268.16)
S2_3TX_100DCH003-: length 141.7
  TOP w0.086: SITE2.117 328.23,257.78 328.31,257.86 328.31,266.72 326.72,268.31 326.72,269.45 v1(326.26,269.9)
  L30_SIGNAL w0.071: v1(326.26,269.9) 326.67,269.9 326.74,269.83 326.74,269.42 326.58,269.26 326.01,269.26 325.27,270 325.27,274.21 326.57,275.5 363.58,275.5 367.78,279.71 377.09,279.71 388.25,290.87 405.49,290.87 414.26,282.1 414.26,266.56 414.76,266.06 416.26,266.06 416.87,266.67 416.87,268.09 416.94,268.16 v1(417.34,268.16)
S2_3TX_100DCH004+: length 139.1
  TOP w0.086: v1(325.36,267.81) 324.91,267.36 324.91,266.21 326.95,264.17 326.95,257.86 327.03,257.78 SITE2.120
  L30_SIGNAL w0.071: v1(325.36,267.81) 324.96,267.81 324.89,267.89 324.89,268.99 324.44,269.45 323.46,269.45 323.07,269.05 323.07,265.68 322.58,265.18 322.58,261.25 326.91,256.92 355.99,256.92 357.42,258.35 376.61,258.35 382.31,264.06 390.54,264.06 393.75,260.84 393.75,255.35 401.35,247.75 404.94,247.75 413.83,256.65 415.99,256.65 416.67,255.97 416.67,254.64 416.6,254.57 v1(416.2,254.57)
S2_3TX_100DCH004-: length 138.5
  TOP w0.086: v1(324.22,267.81) 324.67,267.36 324.67,266.11 326.71,264.07 326.71,257.86 326.63,257.78 SITE2.121
  L30_SIGNAL w0.071: v1(417.34,254.57) 416.94,254.57 416.87,254.64 416.87,256.05 416.08,256.85 413.75,256.85 404.86,247.95 401.43,247.95 393.95,255.43 393.95,260.92 390.62,264.26 382.23,264.26 376.52,258.55 357.34,258.55 355.91,257.12 326.99,257.12 322.77,261.34 322.77,265.1 323.27,265.59 323.27,268.97 323.54,269.25 324.35,269.25 324.69,268.91 324.69,267.89 324.62,267.81 v1(324.22,267.81)
S2_3TX_100DCH005+: length 69
  TOP w0.086: v1(325.11,263.69) 324.65,263.24 324.65,262.03 326.15,260.53 326.15,257.86 326.23,257.78 SITE2.122
  L32_SIGNAL w0.071: v1(325.11,263.69) 324.7,263.69 324.63,263.62 324.63,263.52 326.8,261.35 341.19,261.35 345.89,256.65 355.48,256.65 361.94,263.11 372.5,263.11 375.78,266.39 375.78,267.83 375.71,267.91 v1(375.3,267.91)
S2_3TX_100DCH005-: length 69.6
  TOP w0.086: v1(323.96,263.69) 324.42,263.24 324.42,261.93 325.91,260.44 325.91,257.86 325.83,257.78 SITE2.123
  L32_SIGNAL w0.071: v1(376.45,267.91) 376.05,267.91 375.97,267.83 375.97,266.31 372.58,262.91 362.02,262.91 355.56,256.45 345.81,256.45 341.11,261.15 326.72,261.15 324.44,263.44 324.44,263.62 324.36,263.69 v1(323.96,263.69)
S2_3TX_100DCH006+: length 87.2
  TOP w0.086: SITE2.124 325.43,257.78 325.35,257.86 325.35,259.65 322.87,262.13 322.87,264.93 321.66,266.13 321.66,267.36 v1(322.12,267.81)
  L30_SIGNAL w0.071: v1(375.3,254.32) 375.71,254.32 375.78,254.39 375.78,255.82 375.22,256.37 373.14,256.37 371.62,254.85 357.04,254.85 355.86,256.03 324.69,256.03 319.05,261.68 319.05,265.54 319.74,266.23 319.74,268.97 320.16,269.39 321.19,269.39 321.64,268.94 321.64,267.89 321.71,267.81 v1(322.12,267.81)
S2_3TX_100DCH006-: length 86.5
  TOP w0.086: v1(320.97,267.81) 321.43,267.36 321.43,266.04 322.63,264.83 322.63,262.03 325.11,259.55 325.11,257.86 325.03,257.78 SITE2.125
  L30_SIGNAL w0.071: v1(320.97,267.81) 321.37,267.81 321.45,267.89 321.45,268.85 321.1,269.19 320.24,269.19 319.94,268.89 319.94,266.15 319.25,265.45 319.25,261.76 324.78,256.23 355.95,256.23 357.12,255.05 371.54,255.05 373.06,256.57 375.3,256.57 375.97,255.9 375.97,254.39 376.05,254.32 v1(376.45,254.32)
S2_3TX_100DCH007+: length 101.4
  TOP w0.086: SITE2.126 324.63,257.78 324.55,257.86 324.55,258.72 321.08,262.2 321.08,263.24 v1(321.53,263.69)
  L32_SIGNAL w0.071: v1(321.53,263.69) 321.13,263.69 321.06,263.76 321.06,265.68 319.99,266.75 319.99,284.25 328.33,292.6 351.8,292.6 365.61,306.41 373.6,306.41 376.03,303.98 376.03,299.98 375.96,299.91 v1(375.56,299.91)
S2_3TX_100DCH007-: length 102
  TOP w0.086: SITE2.127 324.23,257.78 324.31,257.86 324.31,258.63 320.84,262.1 320.84,263.24 v1(320.39,263.69)
  L32_SIGNAL w0.071: v1(320.39,263.69) 320.79,263.69 320.86,263.76 320.86,265.6 319.79,266.67 319.79,284.34 328.25,292.8 351.72,292.8 365.53,306.61 373.68,306.61 376.23,304.06 376.23,299.98 376.3,299.91 v1(376.7,299.91)
S2_4TX_100DCH001+: length 86
  TOP w0.086: SITE2.129 323.43,257.78 323.35,257.86 323.35,258.57 319.3,262.62 319.3,265.93 318.34,266.89 318.34,267.36 v1(318.79,267.81)
  L30_SIGNAL w0.071: v1(375.56,286.32) 375.96,286.32 376.03,286.39 376.03,287.7 375.66,288.06 374.29,288.06 363.06,276.84 321.33,276.84 318.32,273.82 318.32,267.89 318.39,267.81 v1(318.79,267.81)
S2_4TX_100DCH001-: length 86.6
  TOP w0.086: SITE2.130 323.03,257.78 323.11,257.86 323.11,258.47 319.06,262.52 319.06,265.83 318.1,266.79 318.1,267.36 v1(317.64,267.81)
  L30_SIGNAL w0.071: v1(376.7,286.32) 376.3,286.32 376.23,286.39 376.23,287.78 375.75,288.26 374.21,288.26 362.98,277.03 321.25,277.03 318.12,273.9 318.12,267.89 318.05,267.81 v1(317.64,267.81)
S2_4TX_100DCH002+: length 134.5
  TOP w0.086: SITE2.131 322.63,257.78 322.55,257.86 322.55,258.26 317.11,263.7 317.11,264.97 v1(317.56,265.42)
  L32_SIGNAL w0.071: v1(402.48,299.91) 402.88,299.91 402.95,299.98 402.95,303.43 397.97,308.41 364.07,308.41 350.07,294.41 326.67,294.41 315.61,283.34 315.61,268.33 317.09,266.84 317.09,265.49 317.16,265.42 v1(317.56,265.42)
S2_4TX_100DCH002-: length 135.1
  TOP w0.086: SITE2.132 322.23,257.78 322.31,257.86 322.31,258.16 316.87,263.6 316.87,264.97 v1(316.42,265.42)
  L32_SIGNAL w0.071: v1(316.42,265.42) 316.82,265.42 316.89,265.49 316.89,266.76 315.41,268.24 315.41,283.42 326.59,294.6 349.99,294.6 363.99,308.61 398.06,308.61 403.15,303.51 403.15,299.98 403.22,299.91 v1(403.63,299.91)
S2_4TX_100DCH003+: length 137.7
  TOP w0.086: v1(305.81,259.77) 306.27,259.32 311.06,259.32 317.23,253.15 317.6,253.15 317.68,253.23 SITE2.133
  L28_SIGNAL w0.071: v1(402.48,286.32) 402.88,286.32 402.95,286.39 402.95,287.65 402.24,288.37 398.43,288.37 392.22,282.16 368.43,282.16 360.5,274.23 309.72,274.23 303.05,267.56 303.05,260.46 304.21,259.3 305.74,259.3 305.81,259.37 v1(305.81,259.77)
S2_4TX_100DCH003-: length 138.6
  TOP w0.086: SITE2.134 317.68,252.83 317.6,252.91 317.13,252.91 310.96,259.08 306.27,259.08 v1(305.81,258.63)
  L28_SIGNAL w0.071: v1(305.81,258.63) 305.81,259.03 305.74,259.1 304.13,259.1 302.85,260.38 302.85,267.64 309.64,274.43 360.42,274.43 368.35,282.35 392.13,282.35 398.35,288.57 402.32,288.57 403.15,287.73 403.15,286.39 403.22,286.32 v1(403.63,286.32)
S2_4TX_100DCH004+: length 98.5
  TOP w0.086: v1(308.57,257.65) 309.02,257.2 311.68,257.2 316.53,252.35 317.6,252.35 317.68,252.43 SITE2.135
  L32_SIGNAL w0.071: v1(308.57,257.65) 308.57,257.25 308.64,257.18 339.19,257.18 349.78,246.59 349.78,241.19 352.5,238.46 358.7,238.46 366.74,246.5 371.92,246.5 375.78,250.36 375.78,251.83 375.71,251.9 v1(375.3,251.9)
S2_4TX_100DCH004-: length 98.8
  TOP w0.086: v1(308.57,256.51) 309.02,256.96 311.58,256.96 316.43,252.11 317.6,252.11 317.68,252.03 SITE2.136
  L32_SIGNAL w0.071: v1(308.57,256.51) 308.57,256.91 308.64,256.98 339.11,256.98 349.58,246.51 349.58,241.11 352.42,238.26 358.79,238.26 366.82,246.3 372,246.3 375.98,250.27 375.98,251.83 376.05,251.9 v1(376.45,251.9)
S2_4TX_100DCH005+: length 105.4
  TOP w0.086: v1(305.81,255.53) 306.27,255.08 312.64,255.08 316.17,251.55 317.6,251.55 317.68,251.63 SITE2.137
  L32_SIGNAL w0.071: v1(305.81,255.53) 305.81,255.13 305.89,255.06 337.36,255.06 343.14,249.27 343.14,235.55 345.02,233.67 358.46,233.67 361.68,236.9 375.24,236.9 375.78,237.43 375.78,238.24 375.71,238.32 v1(375.3,238.32)
S2_4TX_100DCH005-: length 105.7
  TOP w0.086: v1(305.81,254.39) 306.27,254.84 312.55,254.84 316.07,251.31 317.6,251.31 317.68,251.23 SITE2.138
  L32_SIGNAL w0.071: v1(376.45,238.32) 376.05,238.32 375.98,238.24 375.98,237.35 375.33,236.7 361.77,236.7 358.54,233.47 344.94,233.47 342.94,235.47 342.94,249.19 337.27,254.86 305.89,254.86 305.81,254.79 v1(305.81,254.39)
S2_4TX_100DCH006+: length 152
  TOP w0.086: v1(308.57,252.73) 309.02,252.28 312.03,252.28 313.96,250.35 317.6,250.35 317.68,250.43 SITE2.140
  L32_SIGNAL w0.071: v1(308.57,252.73) 308.57,252.33 308.64,252.26 323.89,252.26 326.7,249.45 326.7,234.86 329.33,232.23 365.23,232.23 366.45,231.01 404.51,231.01 416.02,242.52 416.02,249.62 416.92,250.53 416.92,251.83 416.85,251.9 v1(416.45,251.9)
S2_4TX_100DCH006-: length 152.3
  TOP w0.086: v1(308.57,251.59) 309.02,252.04 311.93,252.04 313.86,250.11 317.6,250.11 317.68,250.03 SITE2.141
  L32_SIGNAL w0.071: v1(308.57,251.59) 308.57,251.99 308.64,252.06 323.81,252.06 326.5,249.37 326.5,234.78 329.25,232.04 365.14,232.04 366.36,230.81 404.59,230.81 416.22,242.44 416.22,249.54 417.12,250.44 417.12,251.83 417.19,251.9 v1(417.6,251.9)
S2_4TX_100DCH007+: length 215
  TOP w0.086: SITE2.142 317.68,249.63 317.6,249.55 313.04,249.55 312.4,250.19 306.27,250.19 v1(305.81,250.64)
  L28_SIGNAL w0.071: v1(305.81,250.64) 305.81,250.24 305.89,250.16 313.73,250.16 320.3,256.74 350.7,256.74 358.46,264.49 358.46,267.4 369.36,278.3 401.69,278.3 407.67,284.29 407.67,289.44 410.49,292.26 420.12,292.26 422.66,289.72 422.66,238.18 420.38,235.9 417.85,235.9 416.92,236.82 416.92,238.24 416.85,238.32 v1(416.45,238.32)
S2_4TX_100DCH007-: length 214
  TOP w0.086: v1(305.81,249.49) 306.27,249.95 312.3,249.95 312.94,249.31 317.6,249.31 317.68,249.23 SITE2.143
  L28_SIGNAL w0.071: v1(305.81,249.49) 305.81,249.9 305.89,249.97 313.81,249.97 320.38,256.54 350.78,256.54 358.65,264.41 358.65,267.32 369.44,278.1 401.77,278.1 407.87,284.21 407.87,289.36 410.57,292.06 420.04,292.06 422.46,289.64 422.46,238.26 420.3,236.1 417.93,236.1 417.12,236.9 417.12,238.24 417.19,238.32 v1(417.6,238.32)
S2_AUX_100DCH002+:
  vias: v1(289.31,132.08)
S2_AUX_100DCH002-:
  vias: v1(286.77,132.08)
S2_AUXCH+: length 3.6
  TOP w0.203: SITE2.21 330.23,236.2 v2(330.6,236.57)
S2_AUXCH-: length 3.6
  TOP w0.203: SITE2.20 329.83,236.2 v2(329.46,236.57)
S2_AVDD11_RX: length 8.4
  TOP w0.231: 334.67,227.85 334.23,228.29 SITE2.31
  TOP w0.508: v1(336.77,225.75) 334.67,227.85
  vias: v1(336.77,223.71) v1(452.33,278.76) v1(452.33,276.86)
S2_AVDD11_XTAL: length 8.8
  TOP w0.231: SITE2.105 333.03,260.95 332.87,261.11 332.87,261.45
  TOP w0.381: v1(333.72,264.54) 333.72,264.44 332.87,263.59 332.87,261.45
  vias: v1(333.72,266.58) v1(511.6,295.27) v1(511.6,293.37)
S2_AVDD18_RX: length 7.7
  TOP w0.231: SITE2.25 331.83,230.56 331.28,230.01
  TOP w0.508: 331.28,230.01 331.28,228.9 331.06,228.68 v1(331.06,225.75)
  vias: v1(331.06,223.71) v1(462.07,278.76) v1(462.07,276.86)
S2_DCH041: length 2.2
  TOP w0.231: SITE2.159 317.43,242.83 v1(317.23,243.03)
S2_DCH042: length 3.7
  TOP w0.231: v1(315.83,243.03) 316.43,242.43 SITE2.160
S2_DCH043: length 5.3
  TOP w0.231: v1(314.43,243.03) 315.44,242.03 SITE2.161
S2_DCH044: length 2.2
  TOP w0.231: SITE2.163 317.43,241.23 v1(317.23,241.03)
S2_DCH045: length 5.4
  TOP w0.231: v1(324.35,239.83) 323.35,240.83 SITE2.164
S2_DCH046: length 3.9
  TOP w0.231: v1(322.95,239.83) 322.35,240.43 SITE2.165
S2_DCH047: length 2.3
  TOP w0.231: SITE2.166 321.36,240.03 v1(321.56,239.83)
S2_DCH048:
  vias: v1(309.05,276.97)
S2_DCH049:
  vias: v1(309.05,271.67)
S2_DPS_F_001:
  vias: v1(92.04,249.81) v1(92.04,247.9) v1(287.77,130.81) v1(301.73,227.84)
S2_DPS_F_002: length 10.1
  TOP w0.231: 320.65,229.55 321.72,229.55 323.03,230.86 SITE2.3
  TOP w0.508: v1(317.98,225.75) 317.98,226.88 320.65,229.55
  vias: v1(316.32,222.9) v1(317.98,223.71) v1(462.07,295.27) v1(462.07,293.37)
S2_DPS_F_003: length 63.1
  TOP w0.231: 347.84,245.53 346.94,246.43 SITE2.71 ; 312.83,248.18 313.08,248.43 SITE2.145 ; SITE2.37 336.63,231.59 338.57,229.66 339.73,229.66 ; SITE2.63 344.9,243.23 345.2,242.93 ; SITE2.107 332.23,260.11 331.69,260.65 331.69,261.16 ; SITE2.17 328.63,229.5 329.28,228.85 ; 314.63,241.63 SITE2.162
  TOP w0.381: v1(331.94,264.54) 331.69,264.28 331.69,261.16
  TOP w0.508: 339.73,229.66 342.36,227.02 v1(342.36,225.75) ; 314.63,241.63 314.37,241.63 312.59,243.41 v1(311.44,243.41) ; v1(351.22,241.37) 348.11,241.37 346.8,242.67 345.45,242.67 345.2,242.93 ; 312.83,248.18 312.58,247.93 v1(311.44,247.93) ; v1(351.22,243.91) 349.45,243.91 347.84,245.53 ; v1(329.28,225.75) 329.28,228.85
  vias: v1(309.4,247.93) v1(309.4,243.41) v1(329.28,223.71) v1(331.54,252.61) v1(331.94,266.58) v1(342.36,223.71) v1(353.27,243.91) v1(353.27,241.37) v1(452.33,295.27) v1(452.33,293.37) v1(464.57,235.71)
S2_DPS_F_006: length 9.6
  TOP w0.231: SITE2.72 347.92,246.83 348.55,246.19
  TOP w0.508: v1(351.22,245.18) 349.56,245.18 348.55,246.19
  vias: v1(339,246.67) v1(353.27,245.18) v1(478.58,278.76) v1(478.58,276.86)
S2_DPS_F_007: length 19
  TOP w0.231: SITE2.97 336.23,260.71 339.65,264.13 v1(339.65,264.54) ; 344.37,249.01 344.15,249.23 SITE2.78
  TOP w0.508: v1(351.22,249.5) 350.8,249.5 350.31,249.01 344.37,249.01
  vias: v1(339.65,266.58) v1(353.27,249.5) v1(495.09,278.76) v1(495.09,276.86)
S2_DPS_F_009: length 8.8
  TOP w0.231: SITE2.106 332.63,260.53 332.26,260.9 332.26,261.12
  TOP w0.381: 332.26,261.12 332.26,263.82 332.83,264.39 v1(332.83,264.54)
  vias: v1(332.83,266.58) v1(333.61,267.66) v1(478.58,295.27) v1(478.58,293.37)
S2_DPS_F_010: length 8.6
  TOP w0.231: 331.05,261.13 331.05,260.57 330.63,260.15 SITE2.111
  TOP w0.381: 331.05,261.13 v1(331.05,264.54)
  vias: v1(330.34,253.59) v1(331.05,266.58) v1(468.84,295.27) v1(468.84,293.37)
S2_DPS_F_011: length 17.6
  TOP w0.231: SITE2.119 327.43,257.79 327.64,258.01 ; v1(311.44,253.69) 312.01,253.69 314.87,250.83 SITE2.139
  TOP w0.508: v1(327.57,264.54) 327.64,264.47 327.64,258.01
  vias: v1(309.4,253.69) v1(327.57,266.58) v1(485.35,278.76) v1(485.35,276.86)
S2_DPS_F_012: length 8
  TOP w0.231: 312.2,248.83 SITE2.144
  TOP w0.508: v1(311.44,249.2) 311.81,248.83 312.2,248.83
  vias: v1(309.4,249.2) v1(468.84,278.76) v1(468.84,276.86)
S2_DPS_F_013:
  vias: v1(87.17,249.86) v1(87.17,247.96) v1(452.62,232.41) v1(452.62,224.79) v1(457.25,233.88) v1(474.87,217.23) v1(474.89,204.98) v1(474.99,218.59) v1(475.99,230.78) v1(478.43,217.17) v1(478.43,204.98) v1(478.53,230.78) v1(478.53,218.59) v1(480.97,204.98) v1(481.07,218.59) v1(482.1,241.3) v1(482.1,233.68) v1(483.51,204.98) v1(483.61,218.59) v1(489.86,212.91) v1(490.1,226.67)
